# Altium PCB BB.PcbDoc (part 3 of 9) (continued)
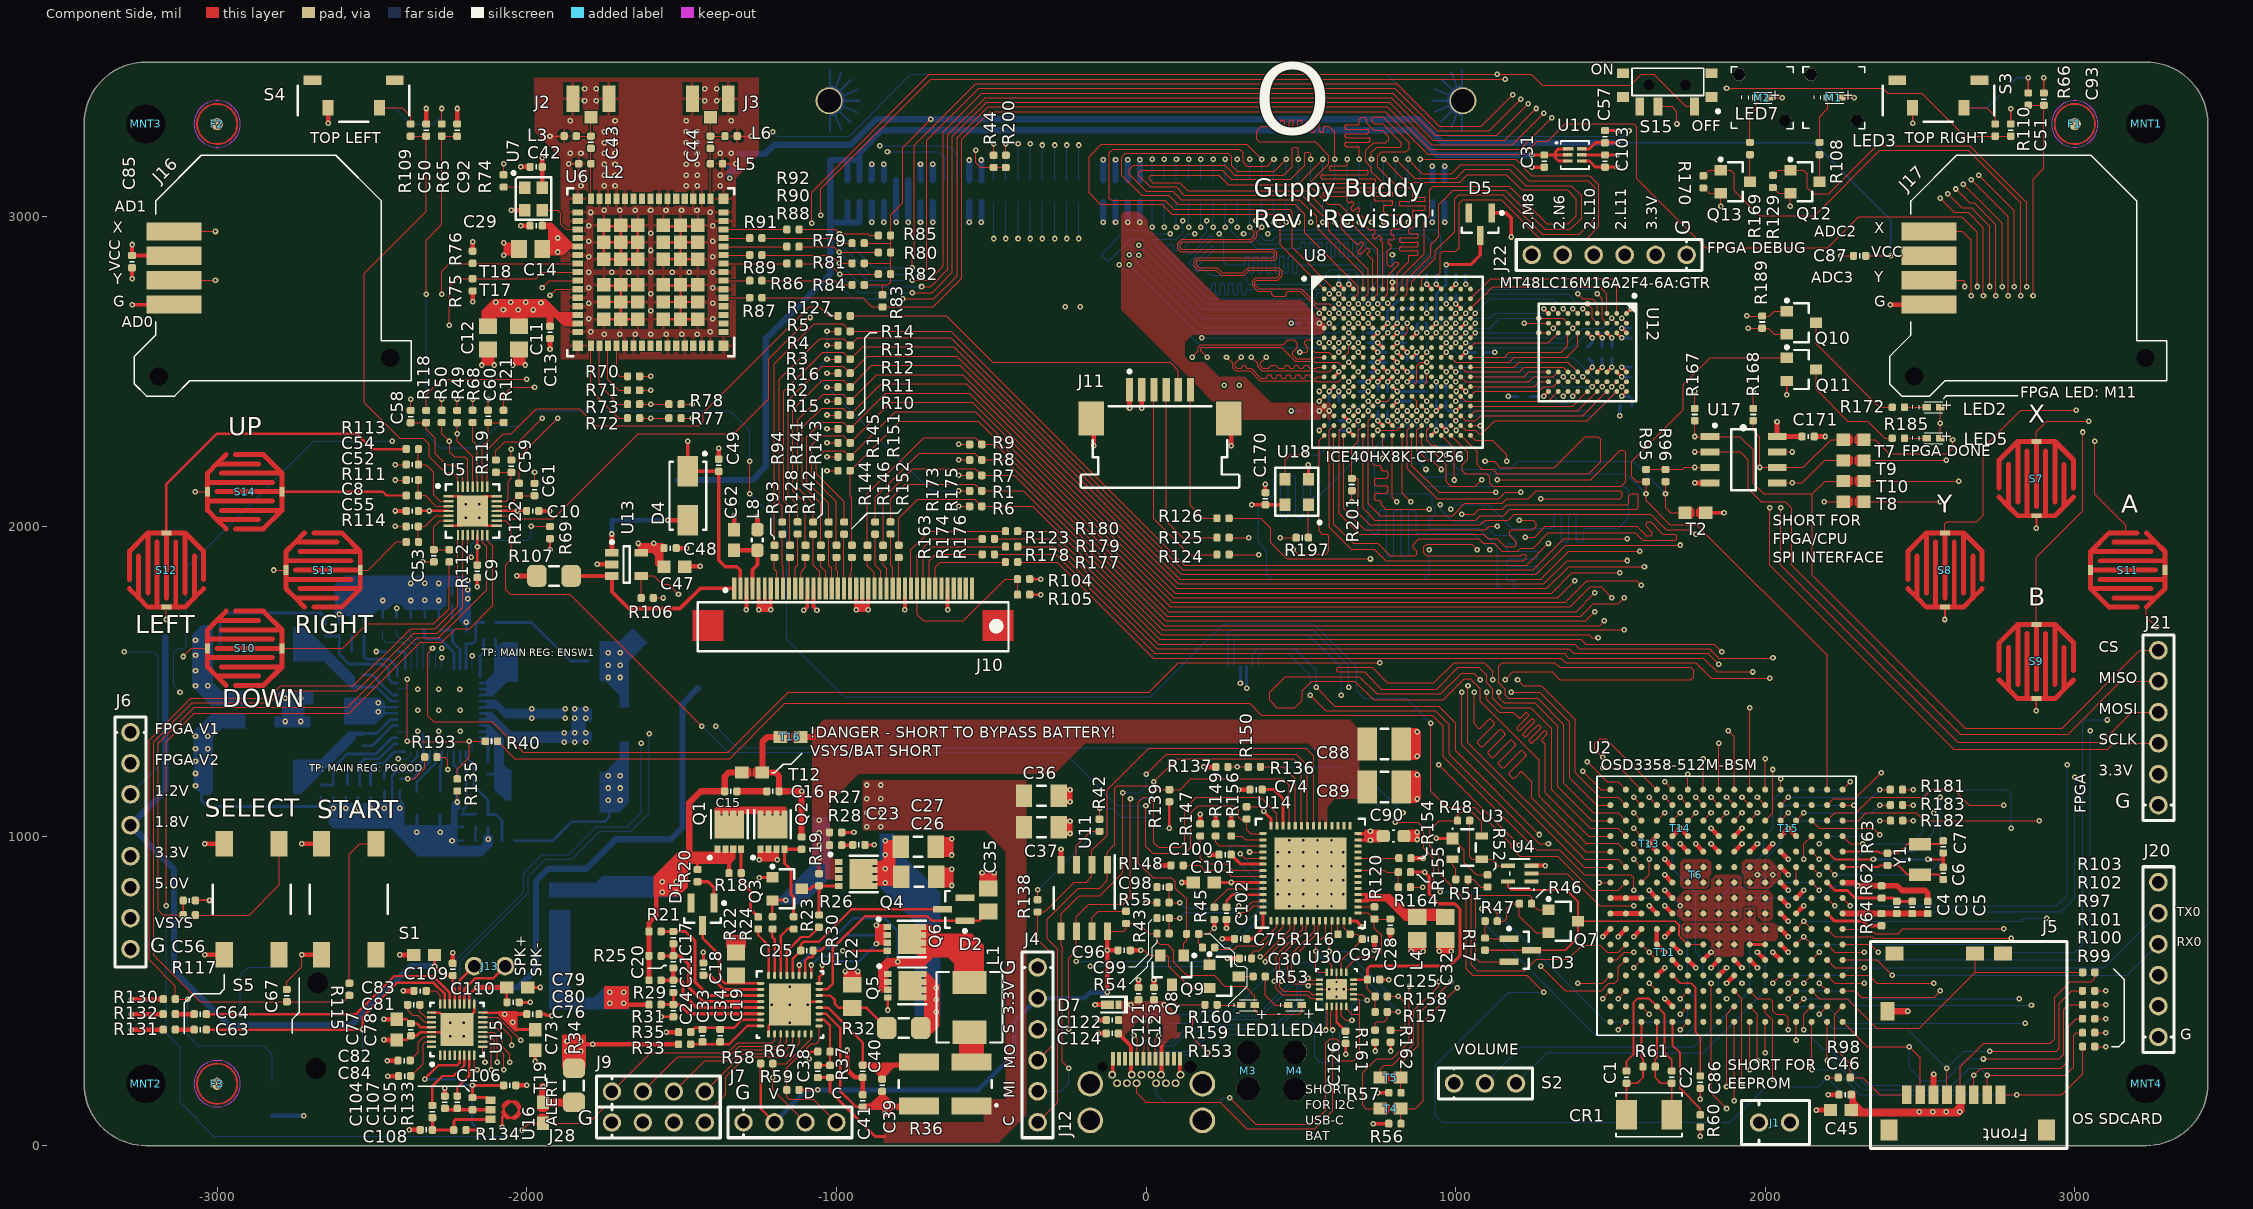
[diagram p0: Component Side view]
## Nets (pads, with @x,y where several pads share a name; then routed paths per layer and width w, separated by ;. In a path a pad name is that pad's centre, name@x,y a point inside that pad or via, vN(x,y) a via of type N, cw(c..) or ccw(c..) an arc to the next point about the centre after c; other vN are vias at no path point)
ACFET: R30.1 U1.29 | length 214.1
  Component Side w8: U1.29@-1159.92,549.98 -1159.92,628.08 -1114,674 -1087.63,674 R30.1@-1056,705.63
ADC0: J16.3 U2.A8 | length 9883.7
  Component Side w4: J16.3@-3139.75,2795.28 v1(-3005.48,2795.28) ; U2.A8@2250,799.82 v1(2275,774.82)
  Inner Layer 1 w4: v1(-3005.48,2795.28) -2230,2795.28 -2229.72,2795 -1339,2795 -1325,2809 -1325,3060 -1150,3235 -945,3235 -735,3445 800.64,3445 960.64,3285 1330,3285 1480,3135 2025,3135 2130,3030 2925,3030 3165,2790 3165,1280 3115,1230 v1(2975,1230)
  Solder Side w4: v1(2275,774.82) 2940.82,774.82 2975,809 v1(2975,1230)
ADC1: J16.1 U2.B8 | length 9976.5
  Component Side w4: J16.1@-3139.75,2952.75 v1(-3005.48,2952.75) ; U2.B8@2200,799.82 v1(2225,774.82)
  Inner Layer 1 w4: v1(-3005.48,2952.75) -2052.75,2952.75 -1950,2850 -1373,2850 -1340,2883 -1340,3065 -1155,3250 -950,3250 -740,3460 806,3460 966,3300 1335,3300 1456,3179 1661,3179 1679.7,3160.3 2029.7,3160.3 2145,3045 2930,3045 3185,2790 3185,1258 3117,1190 v1(3000,1190)
  Solder Side w4: v1(2225,774.82) 2244.82,755 2955,755 3000,800 v1(3000,1190)
ADC2: J17.1 U2.B6 | length 2588
  Component Side w4: U2.B6@2200,899.82 v1(2225,874.82) ; J17.1@2529.55,2952.75 2636.25,2952.75 2665,2924 v1(2665,2745)
  Inner Layer 1 w4: v1(2565,1125) 2565,1430 2665,1530 v1(2665,2745)
  Solder Side w4: v1(2225,874.82) 2521.82,874.82 2565,918 v1(2565,1125)
ADC3: J17.3 U2.C6 | length 2398.7
  Component Side w4: U2.C6@2150,899.82 v1(2175,874.82) ; J17.3@2529.55,2795.28 2639.72,2795.28 2645,2790 v1(2645,2775)
  Inner Layer 1 w4: v1(2545,1074.82) 2545,1430 2645,1530 v1(2645,2775)
  Solder Side w4: v1(2175,874.82) 2225.18,925 2295,925 2321,951 2483,951 2545,1013 v1(2545,1074.82)
ADC5: U2.C8
ADC6: U2.C9
AGND: C3.1 C4.1 C5.1 R64.2 U2.A9 | length 272.6
  Component Side w18: U2.A9@2252.35,749.82 2424.9,749.82 C5.1@2525,749.82
ALERT: T19.1 U1.14 U5.14 | length 4888.4
  Component Side w4: v1(-3165,775) -3165,1305 -3074,1396 -2574,1396 -2344,1626 -2274,1626 -2230,1670 -2185,1670 -2110,1745 -2110,1936 -2127.76,1953.76 U5.14@-2127.76,1972.24 ; v1(-2015,50) -1992.2,72.8 T19.1@-1947.4,72.8 -1799.57,72.8 -1747.4,124.96 -1397.4,124.96 -1356.89,165.47 -1356.89,222.11 -1292,287 -1163,287 -1120.55,329.45 U1.14@-1120.55,361
  Solder Side w4: v1(-3165,775) -3165,363 -3120,318 -3120,140 -3011,31 -2737,31 -2034,31 v1(-2015,50)
AUDIO_POWER_DOWN_N: U2.C13 U15.8 | length 4936.8
  Component Side w4: U15.8@-2169.88,292.25 -2169.88,254.88 v1(-2160,245) ; v1(2125,524.82) U2.C13@2150,549.82
  Inner Layer 1 w4: v1(-2160,245) -2160,185 -2099.96,124.96 -300.04,124.96 -285,140 -285,180 -205,260 -205,289.96 -205,360 -185,380 525,380 550,355 719.65,355 1160,355 1320,195 1850,195 2075,420 2120.18,420 2150,449.82 2150,499.82 v1(2125,524.82)
AUX_C_N: C99.1 R54.1 U14.55 | length 378.3
  Component Side w4: R54.1@75,685.2 C99.1@75,735 v1(109.37,735) ; v1(300,745) 308.94,753.94 326.85,753.94 348.09,775.18 359.06,775.18 362.91,771.34 U14.55@377.72,771.34
  Solder Side w4: v1(109.37,735) 128.47,754.1 290.9,754.1 v1(300,745)
AUX_C_P: C98.1 R55.2 U14.54 | length 378.2
  Component Side w4: C98.1@75,835 R55.2@75,785.2 v1(109.37,785.2) ; v1(300,774.87) 308.94,765.94 321.88,765.94 343.12,787.18 359.06,787.18 362.91,791.02 U14.54@377.72,791.02
  Solder Side w4: v1(109.37,785.2) 128.47,766.1 291.23,766.1 v1(300,774.87)
AUX_N: C99.2
AUX_P: C98.2
B1_CLK0: J18.29 U8.F7 | length 1677.9
  Component Side w4: U8.F7@764.57,2609.25 v1(780.31,2625)
  Inner Layer 2 w4: v1(-413.39,3235.5) -160,2982.11 -160,2919.65 v1(-85.83,2845.47)
  Solder Side w4: J18.29@-413.39,3118.5 v1(-413.39,3235.5) ; v1(-85.83,2845.47) 181.89,2577.76 182.13,2578 628.21,2578 628.46,2577.76 760.63,2577.76 764.57,2581.69 764.57,2609.25 v1(780.31,2625)
B1_CLK1: J18.31 U8.C8 | length 1713.1
  Component Side w4: v1(780.31,2720.55) U8.C8@796.06,2704.8
  Inner Layer 2 w4: v1(-374.02,3235.5) -334.52,3275 522,3275 590,3207 590,2910.87 v1(780.31,2720.55)
  Solder Side w4: J18.31@-374.02,3118.5 v1(-374.02,3235.5)
B1_DAT0: J18.33 U8.E5 | length 1684
  Component Side w4: v1(685.83,2656.5) U8.E5@701.57,2640.75
  Inner Layer 2 w4: v1@-334.52,3235.63 -334.52,3212.52 -316,3194 -313.45,3191.45 ccw(c-307.51,3197.39) -301.58,3191.45 -292.58,3200.45 cw(c-286.64,3194.51) -280.7,3200.45 -275.61,3195.36 cw(c-281.55,3189.42) -275.61,3183.48 -290.54,3168.54 -304.4,3154.69 ccw(c-298.46,3148.75) -304.4,3142.81 -299.3,3137.72 ccw(c-293.36,3143.66) -287.42,3137.72 -273.57,3151.57 -258.64,3166.51 cw(c-252.7,3160.57) -246.76,3166.51 -241.67,3161.41 cw(c-247.61,3155.47) -241.67,3149.53 -256.6,3134.6 -270.45,3120.75 ccw(c-264.51,3114.81) -270.45,3108.87 -265.36,3103.78 ccw(c-259.42,3109.72) -253.48,3103.78 -245.57,3111.69 cw(c-239.63,3105.75) -233.69,3111.69 -204,3082 -117.45,2995.45 -117.45,2908.59 v1(-54.33,2845.47)
  Solder Side w4: J18.33@-334.65,3118.5 v1@-334.65,3235.5 ; v1(-54.33,2845.47) 166.14,2625 621.36,2625 637.11,2640.75 670.08,2640.75 v1(685.83,2656.5)
  other v1: -335,3232
B1_DAT1: J18.35 U8.D4 | length 1680.4
  Component Side w4: v1(654.33,2687.99) U8.D4@670.08,2672.24
  Inner Layer 2 w4: v1(-295,3232) -209.5,3146.5 -206.95,3143.95 ccw(c-201.01,3149.89) -195.08,3143.95 -185.74,3153.29 cw(c-179.8,3147.35) -173.86,3153.29 -168.77,3148.2 cw(c-174.71,3142.26) -168.77,3136.32 -184.04,3121.04 -199.32,3105.77 ccw(c-193.38,3099.83) -199.32,3093.89 -194.23,3088.8 ccw(c-188.29,3094.74) -182.35,3088.8 -167.07,3104.07 -151.8,3119.35 cw(c-145.86,3113.41) -139.92,3119.35 -134.83,3114.26 cw(c-140.77,3108.32) -134.83,3102.38 -150.1,3087.1 -165.38,3071.83 ccw(c-159.44,3065.89) -165.38,3059.95 -160.29,3054.86 ccw(c-154.35,3060.8) -148.41,3054.86 -133.13,3070.13 -117.86,3085.41 cw(c-111.92,3079.47) -105.98,3085.41 -100.89,3080.31 cw(c-106.83,3074.38) -100.89,3068.44 -110.22,3059.1 ccw(c-104.28,3053.16) -110.22,3047.22 -102.5,3039.5 -102.5,3033.5 -90.88,3021.88 -84.88,3021.88 -79,3016 -79,2901.64 v1(-54.33,2876.97)
  Solder Side w4: J18.35@-295.28,3118.5 v1@-295.28,3235.5 ; v1(-54.33,2876.97) 181.44,2641.2 ; 181.02,2641.2 181.44,2641.2 ; v1(654.33,2687.99) 607.54,2641.2 181.44,2641.2
B1_DAT2: J18.37 U8.D3 | length 1681.1
  Component Side w4: v1(622.83,2687.99) U8.D3@638.58,2672.24
  Inner Layer 2 w4: v1(-256,3232) -234,3210 -201,3210 -197.4,3210 ccw(c-197.4,3218.4) -189,3218.4 -189,3232.6 cw(c-180.6,3232.6) -180.6,3241 -173.4,3241 cw(c-173.4,3232.6) -165,3232.6 -165,3210 ccw(c-158,3210) -158,3203 -148,3203 ccw(c-148,3210) -141,3210 -141,3232.6 cw(c-132.6,3232.6) -132.6,3241 -125.4,3241 cw(c-125.4,3232.6) -117,3232.6 -117,3218.4 ccw(c-108.6,3218.4) -108.6,3210 -103,3210 -91,3210 -79,3198 -79,3175 -79,3169.4 cw(c-87.4,3169.4) -87.4,3161 -136.6,3161 ccw(c-136.6,3152.6) -145,3152.6 -145,3145.4 ccw(c-136.6,3145.4) -136.6,3137 -87.4,3137 cw(c-87.4,3128.6) -79,3128.6 -79,3125 -79,3116 -39,3076 -39,3043.4 cw(c-47.4,3043.4) -47.4,3035 -52.01,3035 ccw(c-52.01,3026.6) -60.41,3026.6 -60.41,3019.4 ccw(c-52.01,3019.4) -52.01,3011 -47.4,3011 cw(c-47.4,3002.6) -39,3002.6 -39,2999 -39,2956 -55,2940 -55,2908.72 v1(-22.83,2876.56)
  Solder Side w4: J18.37@-255.91,3118.5 v1@-255.91,3235.5 ; v1(-22.83,2876.56) 181.02,2672.7 607.54,2672.7 v1(622.83,2687.99)
B1_DAT3: J18.39 U8.D5 | length 1680.5
  Component Side w4: v1(685.83,2687.99) U8.D5@701.57,2672.24
  Inner Layer 2 w4: v1(-217,3232) -190,3259 -65,3259 -40,3234 -40,3131 -30,3121 -14,3121 -11,3124 -5,3124 -1,3120 -1,3098 cw(c-9.4,3098) -9.4,3089.6 -19.6,3089.6 ccw(c-19.6,3081.2) -28,3081.2 -28,3074 ccw(c-19.6,3074) -19.6,3065.6 -1,3065.6 37.58,3065.6 cw(c37.58,3057.2) 45.98,3057.2 45.98,3050 cw(c37.58,3050) 37.58,3041.6 -1,3041.6 -19.6,3041.6 ccw(c-19.6,3033.2) -28,3033.2 -28,3026 ccw(c-19.6,3026) -19.6,3017.6 -9.4,3017.6 cw(c-9.4,3009.2) -1,3009.2 -1,3005.6 -1,3000 -1,2988 -1,2930.3 v1(-22.83,2908.46)
  Solder Side w4: J18.39@-216.54,3118.5 v1@-216.54,3235.5 ; v1(-22.83,2908.46) 181.89,2703.74 670.08,2703.74 v1(685.83,2687.99)
B1_DAT4: J18.49 U8.C3 | length 1677.9
  Component Side w4: v1(622.83,2719.49) U8.C3@638.58,2703.74
  Inner Layer 2 w4: v1(19.68,3185.5) 0.18,3166 -13,3166 -19.69,3159.31 -19.69,3146.69 -13,3140 1.92,3140 15.92,3126 15.92,3093.76 24.68,3085 57,3085 66,3076 66,3039 53,3026 27,3026 21,3020 21,2995 39,2977 39,2954 28,2943 28,2936.79 33.79,2931 50,2931 64.16,2945.16 v1(78.74,2945.16)
  Solder Side w4: J18.49@19.68,3118.5 v1(19.68,3185.5) ; v1(78.74,2945.16) 6.84,2945.16 -4,2956 -67,2956 -140,2883 -140,2873 -127,2860 -117,2860 -47,2930 -16,2930 194.51,2719.49 v1(622.83,2719.49)
B1_DAT5: J18.51 U8.B3 | length 1677.9
  Component Side w4: v1(622.83,2750.98) U8.B3@638.58,2735.24
  Inner Layer 2 w4: v1(59.05,3185.5) 59.05,3170.49 65,3164.54 65,3140 75,3130 75,3120 70,3115 54,3115 50,3119 50,3159 43.77,3165.23 26.23,3165.23 20,3159 20,3145.79 23.75,3142.04 31.96,3142.04 35,3139 35,3110 44,3101 73,3101 78.74,3095.27 78.74,3088.27 83,3084 117,3084 121,3080 121,3074 116,3069 87,3069 83,3065 83,3059 88,3054 115.1,3054 120,3049.1 120,3044 115,3039 87,3039 83,3035 83,3028 87,3024 116.1,3024 120,3020.1 120,3009 116,3005 90,3005 85.75,3000.75 85.75,2996.75 83,2994 77.74,2994 74,2997.73 74,3007 69,3012 51,3012 45,3006 45,2997.98 52.98,2990 61,2990 76,2975 84,2975 96.2,2987.2 v1(118.1,2987.2)
  Solder Side w4: J18.51@59.05,3118.5 v1(59.05,3185.5) ; v1(118.1,2987.2) 118.1,2948.1 97,2927 31,2927 26,2922 26,2914 204.76,2735.24 546.21,2735.24 551,2740.02 551,2751 554.69,2754.69 567.31,2754.69 570.86,2751.14 570.86,2740.14 575.76,2735.24 607.09,2735.24 v1(622.83,2750.98)
B1_DAT6: J18.53 U8.C4 | length 1677.7
  Component Side w4: v1(654.33,2719.49) U8.C4@670.08,2703.74
  Inner Layer 2 w4: v1(98.42,3185.5) 98.42,3107.58 108,3098 137.59,3098 157.48,3078.11 157.48,3073 157.48,3063.9 cw(c152.58,3063.9) 152.58,3059 142.38,3059 ccw(c142.38,3054.1) 137.48,3054.1 137.48,3049.9 ccw(c142.38,3049.9) 142.38,3045 157.48,3045 172.58,3045 cw(c172.58,3040.1) 177.48,3040.1 177.48,3035.9 cw(c172.58,3035.9) 172.58,3031 157.48,3031 142.38,3031 ccw(c142.38,3026.1) 137.48,3026.1 137.48,3021.9 ccw(c142.38,3021.9) 142.38,3017 157.48,3017 172.58,3017 cw(c172.58,3012.1) 177.48,3012.1 177.48,3007.9 cw(c172.58,3007.9) 172.58,3003 157.48,3003 142.38,3003 ccw(c142.38,2998.1) 137.48,2998.1 137.48,2993.9 ccw(c142.38,2993.9) 142.38,2989 152.58,2989 cw(c152.58,2984.1) 157.48,2984.1 157.48,2982 v1(157.48,2945.16)
  Solder Side w4: J18.53@98.42,3118.5 v1(98.42,3185.5) ; v1(157.48,2945.16) 136.16,2945.16 105,2914 105,2895 100,2890 95,2890 90,2895 90,2903.31 81.63,2911.69 68.69,2911.69 65,2908 65,2899 197.27,2766.73 205,2766.73 207.1,2766.73 ccw(c207.1,2771.63) 212,2771.63 212,2779.91 cw(c216.9,2779.91) 216.9,2784.81 221.1,2784.81 cw(c221.1,2779.91) 226,2779.91 226,2766.73 226,2753.55 ccw(c230.9,2753.55) 230.9,2748.65 235.1,2748.65 ccw(c235.1,2753.55) 240,2753.55 240,2766.73 240,2779.91 cw(c244.9,2779.91) 244.9,2784.81 249.1,2784.81 cw(c249.1,2779.91) 254,2779.91 254,2766.73 254,2753.55 ccw(c258.9,2753.55) 258.9,2748.65 263.1,2748.65 ccw(c263.1,2753.55) 268,2753.55 268,2766.73 268,2779.91 cw(c272.9,2779.91) 272.9,2784.81 277.1,2784.81 cw(c277.1,2779.91) 282,2779.91 282,2766.73 282,2753.55 ccw(c286.9,2753.55) 286.9,2748.65 291.1,2748.65 ccw(c291.1,2753.55) 296,2753.55 296,2766.73 296,2779.92 cw(c300.9,2779.92) 300.9,2784.82 305.1,2784.82 cw(c305.1,2779.92) 310,2779.92 310,2766.73 310,2753.55 ccw(c314.9,2753.55) 314.9,2748.65 319.1,2748.65 ccw(c319.1,2753.55) 324,2753.55 324,2761.83 cw(c328.9,2761.83) 328.9,2766.73 346,2766.73 635.41,2766.73 641,2761.14 641,2744 645,2740 651.56,2740 661.56,2750 670,2750 675,2745 675,2735 670,2730 664.84,2730 v1(654.33,2719.49)
B1_DAT7: J18.55 U8.C5 | length 1677.5
  Component Side w4: v1(685.83,2719.49) U8.C5@701.57,2703.74
  Inner Layer 2 w4: v1(137.79,3185.5) 137.79,3173 137.79,3170.9 ccw(c142.69,3170.9) 142.69,3166 152.89,3166 cw(c152.89,3161.1) 157.79,3161.1 157.79,3156.9 cw(c152.89,3156.9) 152.89,3152 137.79,3152 122.69,3152 ccw(c122.69,3147.1) 117.79,3147.1 117.79,3142.9 ccw(c122.69,3142.9) 122.69,3138 132.89,3138 cw(c132.89,3133.1) 137.79,3133.1 137.79,3124 137.79,3122.21 145,3115 165,3115 172.58,3107.43 172.58,3073 196.84,3048.73 v1(196.84,2987.2)
  Solder Side w4: J18.55@137.79,3118.5 v1(137.79,3185.5) ; v1(196.84,2987.2) 196.85,2949.85 168,2921 141,2921 128,2908 128,2891.39 138.2,2881.2 139.18,2880.21 ccw(c143.14,2884.16) 147.1,2880.21 204.72,2937.82 cw(c208.68,2933.87) 212.64,2937.82 214.62,2935.85 cw(c210.66,2931.89) 214.62,2927.93 153.04,2866.35 141.17,2854.47 ccw(c145.13,2850.51) 141.17,2846.55 143.15,2844.57 ccw(c147.11,2848.53) 151.07,2844.57 162.94,2856.45 210.47,2903.98 cw(c214.43,2900.02) 218.39,2903.98 220.37,2902 cw(c216.41,2898.04) 220.37,2894.08 172.84,2846.55 160.97,2834.67 ccw(c164.93,2830.71) 160.97,2826.75 162.95,2824.77 ccw(c166.91,2828.73) 170.87,2824.77 178.78,2832.69 cw(c182.74,2828.73) 186.7,2832.69 194.29,2825.1 207.38,2812.01 318.99,2812.01 325.31,2805.69 325.31,2789.5 332.82,2782 574.68,2782 582.68,2790 582.68,2817.68 594.72,2829.72 670.08,2829.72 686,2813.8 v1@686,2719.49
B1_DAT8: J18.57 U8.D6 | length 1677.7
  Component Side w4: v1(717.32,2687.99) U8.D6@733.07,2672.24
  Inner Layer 2 w4: v1(177.16,3185.5) 236.22,3126.44 v1(236.22,2945.16)
  Solder Side w4: J18.57@177.16,3118.5 v1(177.16,3185.5) ; v1(236.22,2945.16) 251,2930.37 251,2855.1 260.63,2845.47 313,2845.47 315.8,2845.47 ccw(c315.8,2849.67) 320,2849.67 320,2868.98 cw(c324.2,2868.98) 324.2,2873.18 329.8,2873.18 cw(c329.8,2868.98) 334,2868.98 334,2845.47 334,2821.97 ccw(c338.2,2821.97) 338.2,2817.77 343.8,2817.77 ccw(c343.8,2821.97) 348,2821.97 348,2845.47 348,2868.98 cw(c352.2,2868.98) 352.2,2873.18 357.8,2873.18 cw(c357.8,2868.98) 362,2868.98 362,2845.47 362,2821.97 ccw(c366.2,2821.97) 366.2,2817.77 371.8,2817.77 ccw(c371.8,2821.97) 376,2821.97 376,2845.47 376,2868.98 cw(c380.2,2868.98) 380.2,2873.18 385.8,2873.18 cw(c385.8,2868.98) 390,2868.98 390,2845.47 390,2821.97 ccw(c394.2,2821.97) 394.2,2817.77 399.8,2817.77 ccw(c399.8,2821.97) 404,2821.97 404,2845.47 404,2868.98 cw(c408.2,2868.98) 408.2,2873.18 413.8,2873.18 cw(c413.8,2868.98) 418,2868.98 418,2845.47 418,2821.97 ccw(c422.2,2821.97) 422.2,2817.77 427.8,2817.77 ccw(c427.8,2821.97) 432,2821.97 432,2845.47 432,2868.98 cw(c436.2,2868.98) 436.2,2873.18 441.8,2873.18 cw(c441.8,2868.98) 446,2868.98 446,2845.47 446,2821.97 ccw(c450.2,2821.97) 450.2,2817.77 455.8,2817.77 ccw(c455.8,2821.97) 460,2821.97 460,2845.47 460,2868.98 cw(c464.2,2868.98) 464.2,2873.18 469.8,2873.18 cw(c469.8,2868.98) 474,2868.98 474,2845.47 474,2821.97 ccw(c478.2,2821.97) 478.2,2817.77 483.8,2817.77 ccw(c483.8,2821.97) 488,2821.97 488,2841.27 cw(c492.2,2841.27) 492.2,2845.47 524,2845.47 685.83,2845.47 701.57,2829.72 701.57,2703.74 v1(717.32,2687.99)
B1_DAT9: J18.59 U8.C6 | length 1677.6
  Component Side w4: v1(717.32,2719.49) U8.C6@733.07,2703.74
  Inner Layer 2 w4: v1(216.53,3185.5) 275.58,3126.44 v1(275.58,2987.2)
  Solder Side w4: J18.59@216.53,3118.5 v1(216.53,3185.5) ; v1@275.55,2987.2 275.55,2953.45 302,2927 329,2927 358,2898 413,2898 495.8,2898 ccw(c495.8,2902.2) 500,2902.2 500,2914.57 cw(c504.2,2914.57) 504.2,2918.77 509.8,2918.77 cw(c509.8,2914.57) 514,2914.57 514,2898 514,2875.43 ccw(c518.2,2875.43) 518.2,2871.23 523.8,2871.23 ccw(c523.8,2875.43) 528,2875.43 528,2898 528,2914.57 cw(c532.2,2914.57) 532.2,2918.77 537.8,2918.77 cw(c537.8,2914.57) 542,2914.57 542,2898 542,2875.43 ccw(c546.2,2875.43) 546.2,2871.23 551.8,2871.23 ccw(c551.8,2875.43) 556,2875.43 556,2898 556,2914.57 cw(c560.2,2914.57) 560.2,2918.77 565.8,2918.77 cw(c565.8,2914.57) 570,2914.57 570,2898 570,2875.43 ccw(c574.2,2875.43) 574.2,2871.23 579.8,2871.23 ccw(c579.8,2875.43) 584,2875.43 584,2898 584,2914.57 cw(c588.2,2914.57) 588.2,2918.77 593.8,2918.77 cw(c593.8,2914.57) 598,2914.57 598,2898 598,2875.43 ccw(c602.2,2875.43) 602.2,2871.23 607.8,2871.23 ccw(c607.8,2875.43) 612,2875.43 612,2898 612,2914.57 cw(c616.2,2914.57) 616.2,2918.77 621.8,2918.77 cw(c621.8,2914.57) 626,2914.57 626,2898 626,2875.43 ccw(c630.2,2875.43) 630.2,2871.23 635.8,2871.23 ccw(c635.8,2875.43) 640,2875.43 640,2898 640,2914.57 cw(c644.2,2914.57) 644.2,2918.77 649.8,2918.77 cw(c649.8,2914.57) 654,2914.57 654,2898 654,2875.43 ccw(c658.2,2875.43) 658.2,2871.23 663.8,2871.23 ccw(c663.8,2875.43) 668,2875.43 668,2898 668,2914.57 cw(c672.2,2914.57) 672.2,2918.77 677.8,2918.77 cw(c677.8,2914.57) 682,2914.57 682,2898 682,2875.43 ccw(c686.2,2875.43) 686.2,2871.23 691.8,2871.23 ccw(c691.8,2875.43) 696,2875.43 696,2898 696,2914.57 cw(c700.2,2914.57) 700.2,2918.77 705.8,2918.77 cw(c705.8,2914.57) 710,2914.57 710,2902.2 ccw(c714.2,2902.2) 714.2,2898 724,2898 731,2898 755,2874 755,2800 717.32,2762.32 v1(717.32,2719.49)
B1_DAT10: J18.61 U8.E6 | length 1678.5
  Component Side w4: v1(717.32,2656.5) U8.E6@733.07,2640.75
  Inner Layer 2 w4: v1(255.9,3185.5) 290.4,3151 372,3151 395,3174 395,3206 403,3214 461,3214 473,3202 473,3154 478,3149 502.62,3149 516,3135.62 516,3081 480,3045 379.64,3045 370,3035.36 370,3021 359,3010 344.64,3010 314.95,2980.31 v1(314.95,2945.16)
  Solder Side w4: J18.61@255.9,3118.5 v1(255.9,3185.5) ; v1(314.95,2945.16) 336.84,2945.16 370.67,2911.33 422.33,2911.33 441,2930 819,2930 829,2920 829,2909 819,2899 787,2899 770,2882 770,2791 733.07,2754.07 733.07,2672.24 v1(717.32,2656.5)
B1_DAT11: J18.63 U8.C7 | length 1678.2
  Component Side w4: v1(748.82,2719.49) U8.C7@764.57,2703.74
  Inner Layer 2 w4: v1(295.27,3185.5) 308.5,3185.5 313,3181 313,3171 317,3167 347,3167 355,3175 355,3220 365,3230 495,3230 512,3213 512,3163 518.46,3156.54 527,3156.54 532,3151.54 532,3067.15 491.85,3027 398,3027 379.15,3008.15 379.15,2992.15 374.2,2987.2 v1(354.33,2987.2)
  Solder Side w4: J18.63@295.27,3118.5 v1(295.27,3185.5) ; v1(354.33,2987.2) 354.33,2952.68 382,2925 410,2925 429,2944 899,2944 921,2922 921,2887 800,2766 772,2766 748.82,2742.82 v1(748.82,2719.49)
B1_DAT12: J18.65 U8.D7 | length 1678
  Component Side w4: v1(748.82,2687.99) U8.D7@764.57,2672.24
  Inner Layer 2 w4: v1(334.64,3185.5) 334.64,3225.64 357,3248 512,3248 552,3208 552,3056 503,3007 408,3007 393.69,2992.69 v1(393.69,2945.16)
  Solder Side w4: J18.65@334.64,3118.5 v1(334.64,3185.5) ; v1(393.69,2945.16) 406.54,2958 935,2958 952,2941 952,2895.88 797.12,2741 774,2741 764.57,2731.57 764.57,2703.74 v1(748.82,2687.99)
B1_DAT13: J18.67 U8.A1 | length 1714
  Component Side w4: v1(374.01,3185.5) 325.51,3234 -144,3234 -184,3194 -184,3078 -147,3041 51,3041 83.64,3008.36 415.64,3008.36 433.07,2990.94 433.07,2909.26 U8.A1@575.59,2766.73
  Solder Side w4: J18.67@374.01,3118.5 v1(374.01,3185.5)
B1_DAT14: J18.69 U8.A2 | length 1714.1
  Component Side w4: v1(413.38,3185.5) 390.88,3163 327,3163 314,3176 314,3207 302,3219 -106,3219 -118,3207 -118,3060.64 -111.36,3054 61,3054 91,3024 464,3024 472.43,3015.56 472.43,2901.38 U8.A2@607.09,2766.73
  Solder Side w4: J18.69@413.38,3118.5 v1(413.38,3185.5)
B1_DAT15: J18.71 U8.B4 | length 1714
  Component Side w4: v1(452.75,3185.5) 414.25,3147 295,3147 277,3165 277,3194 266,3205 -66.8,3205 -79,3192.8 -79,3135 -13,3069 73,3069 102,3040 481,3040 512.6,3008.4 512.6,2948.19 685.83,2774.96 685.83,2750.98 U8.B4@670.08,2735.24
  Solder Side w4: J18.71@452.75,3118.5 v1(452.75,3185.5)
B1_DAT16: J18.73 U8.A5 | length 1713.9
  Component Side w4: v1(492.12,3185.5) 492.12,3220.88 488,3225 477,3225 473,3221 473,3162 445,3134 286,3134 254,3166 -41,3166 -54,3153 -54,3138 1,3083 87,3083 114,3056 495,3056 551.17,2999.82 551.17,2964.38 701.57,2813.98 U8.A5@701.57,2766.73
  Solder Side w4: J18.73@492.12,3118.5 v1(492.12,3185.5)
B1_DAT17: J18.75 U8.B5 | length 1713
  Component Side w4: v1(531.49,3185.5) 531.49,3202.51 526,3208 515,3208 512,3205 512,3166.01 466.99,3121 275,3121 246,3150 -15,3150 -22.83,3142.17 -22.83,3132.83 13,3097 97,3097 124,3070 505,3070 571,3004 581,3004 590.55,2994.45 590.55,2955.71 717.32,2828.93 717.32,2750.98 U8.B5@701.57,2735.24
  Solder Side w4: J18.75@531.49,3118.5 v1(531.49,3185.5)
B1_DAT18: J18.77 U8.A6 | length 1713.3
  Component Side w4: v1(570.86,3185.5) 489.36,3104 265.51,3104 234.51,3135 15.85,3135 10,3129.15 10,3122.6 22.6,3110 109.1,3110 134.1,3085 515.42,3085 580.42,3020 612.21,3020 629.92,3002.29 629.92,2963.09 650,2943 680.98,2912.02 ccw(c683.95,2914.99) 686.92,2912.02 692.33,2917.43 cw(c695.3,2914.46) 698.27,2917.43 702.23,2913.47 cw(c699.26,2910.5) 702.23,2907.53 693.85,2899.15 685.47,2890.77 ccw(c688.44,2887.8) 685.47,2884.83 689.43,2880.87 ccw(c692.4,2883.84) 695.37,2880.87 703.75,2889.25 712.13,2897.63 cw(c715.1,2894.66) 718.07,2897.63 722.03,2893.67 cw(c719.06,2890.7) 722.03,2887.73 716.62,2882.32 ccw(c719.59,2879.35) 716.62,2876.38 723.55,2869.45 728.5,2864.5 733.07,2859.93 U8.A6@733.07,2766.73
  Solder Side w4: J18.77@570.86,3118.5 v1(570.86,3185.5)
B1_DAT19: J18.79 U8.B6 | length 1713.8
  Component Side w4: v1@610.23,3185 v1(610.23,3185.5) 610.23,3273.77 591,3293 581,3293 578.9,3293 ccw(c578.9,3288.1) 574,3288.1 574,3278.71 cw(c569.1,3278.71) 569.1,3273.81 564.9,3273.81 cw(c564.9,3278.71) 560,3278.71 560,3293 560,3307.29 ccw(c555.1,3307.29) 555.1,3312.19 550.9,3312.19 ccw(c550.9,3307.29) 546,3307.29 546,3293 546,3278.71 cw(c541.1,3278.71) 541.1,3273.81 536.9,3273.81 cw(c536.9,3278.71) 532,3278.71 532,3293 532,3307.29 ccw(c527.1,3307.29) 527.1,3312.19 522.9,3312.19 ccw(c522.9,3307.29) 518,3307.29 518,3293 518,3278.71 cw(c513.1,3278.71) 513.1,3273.81 508.9,3273.81 cw(c508.9,3278.71) 504,3278.71 504,3293 504,3307.29 ccw(c499.1,3307.29) 499.1,3312.19 494.9,3312.19 ccw(c494.9,3307.29) 490,3307.29 490,3293 490,3278.71 cw(c485.1,3278.71) 485.1,3273.81 480.9,3273.81 cw(c480.9,3278.71) 476,3278.71 476,3293 476,3307.29 ccw(c471.1,3307.29) 471.1,3312.19 466.9,3312.19 ccw(c466.9,3307.29) 462,3307.29 462,3293 462,3278.71 cw(c457.1,3278.71) 457.1,3273.81 452.9,3273.81 cw(c452.9,3278.71) 448,3278.71 448,3293 448,3307.29 ccw(c443.1,3307.29) 443.1,3312.19 438.9,3312.19 ccw(c438.9,3307.29) 434,3307.29 434,3293 434,3278.71 cw(c429.1,3278.71) 429.1,3273.81 424.9,3273.81 cw(c424.9,3278.71) 420,3278.71 420,3293 420,3307.29 ccw(c415.1,3307.29) 415.1,3312.19 410.9,3312.19 ccw(c410.9,3307.29) 406,3307.29 406,3297.9 cw(c401.1,3297.9) 401.1,3293 373,3293 357,3277 357,3250 365,3242 546,3242 590,3198 590,3171.91 533,3114.91 533,3096 589,3040 624,3040 669.28,2994.72 669.28,2972.78 748.82,2893.25 748.82,2750.98 U8.B6@733.07,2735.24
  Solder Side w4: J18.79@610.23,3118.5 v1(610.23,3185.5)
B1_DAT20: J18.81 U8.A7 | length 1713.7
  Component Side w4: v1(649.6,3185.5) 649.6,3178.5 649.6,3169.4 cw(c644.7,3169.4) 644.7,3164.5 597.81,3164.5 ccw(c597.81,3159.6) 592.91,3159.6 592.91,3155.4 ccw(c597.81,3155.4) 597.81,3150.5 649.6,3150.5 713.57,3150.5 cw(c713.57,3145.6) 718.47,3145.6 718.47,3141.4 cw(c713.57,3141.4) 713.57,3136.5 649.6,3136.5 569.81,3136.5 ccw(c569.81,3131.6) 564.91,3131.6 564.91,3127.4 ccw(c569.81,3127.4) 569.81,3122.5 649.6,3122.5 736.75,3122.5 cw(c736.75,3117.6) 741.65,3117.6 741.65,3113.4 cw(c736.75,3113.4) 736.75,3108.5 649.6,3108.5 556.38,3108.5 ccw(c556.38,3103.6) 551.48,3103.6 551.48,3099.4 ccw(c556.38,3099.4) 556.38,3094.5 649.6,3094.5 722.93,3094.5 cw(c722.93,3089.6) 727.83,3089.6 727.83,3085.4 cw(c722.93,3085.4) 722.93,3080.5 649.6,3080.5 577.72,3080.5 ccw(c577.72,3075.6) 572.82,3075.6 572.82,3071.4 ccw(c577.72,3071.4) 577.72,3066.5 644.7,3066.5 cw(c644.7,3061.6) 649.6,3061.6 649.6,3058 649.6,3051 649.6,3050.72 652.99,3047.33 ccw(c656.45,3050.79) 659.92,3047.33 660.06,3047.47 cw(c663.52,3044) 666.99,3047.47 669.96,3044.5 cw(c666.49,3041.03) 669.96,3037.57 666.35,3033.96 662.75,3030.36 ccw(c666.21,3026.89) 662.75,3023.43 665.72,3020.46 ccw(c669.18,3023.92) 672.64,3020.46 676.25,3024.06 679.86,3027.67 cw(c683.32,3024.21) 686.79,3027.67 689.76,3024.7 cw(c686.29,3021.24) 689.76,3017.77 686.15,3014.16 682.54,3010.56 ccw(c686.01,3007.09) 682.54,3003.63 685.51,3000.66 ccw(c688.98,3004.12) 692.44,3000.66 692.59,3000.8 cw(c696.05,2997.34) 699.52,3000.8 701,2999.31 708.66,2991.66 708.66,2971.35 721,2959 722.48,2957.52 ccw(c725.95,2960.98) 729.41,2957.52 729.56,2957.66 cw(c733.02,2954.19) 736.49,2957.66 739.46,2954.69 cw(c735.99,2951.22) 739.46,2947.76 735.85,2944.15 732.24,2940.54 ccw(c735.71,2937.08) 732.24,2933.61 735.21,2930.64 ccw(c738.68,2934.11) 742.14,2930.64 745.75,2934.25 749.36,2937.86 cw(c752.82,2934.39) 756.28,2937.86 759.25,2934.89 cw(c755.79,2931.42) 759.25,2927.96 757.5,2926.2 ccw(c759.35,2924.35) 757.5,2922.5 764.57,2915.43 U8.A7@764.57,2766.73
  Solder Side w4: J18.81@649.6,3118.5 v1(649.6,3185.5)
B1_DAT21: J18.83 U8.B7 | length 1713.3
  Component Side w4: v1(688.97,3185.5) 688.97,3220 688.97,3222.1 ccw(c684.07,3222.1) 684.07,3227 647.64,3227 cw(c647.64,3231.9) 642.74,3231.9 642.74,3236.1 cw(c647.64,3236.1) 647.64,3241 688.97,3241 718.89,3241 ccw(c718.89,3245.9) 723.79,3245.9 723.79,3250.1 ccw(c718.89,3250.1) 718.89,3255 688.97,3255 647.64,3255 cw(c647.64,3259.9) 642.74,3259.9 642.74,3264.1 cw(c647.64,3264.1) 647.64,3269 688.97,3269 714.89,3269 ccw(c714.89,3273.9) 719.79,3273.9 719.79,3278.1 ccw(c714.89,3278.1) 714.89,3283 688.97,3283 647.64,3283 cw(c647.64,3287.9) 642.74,3287.9 642.74,3292.1 cw(c647.64,3292.1) 647.64,3297 684.07,3297 ccw(c684.07,3301.9) 688.97,3301.9 688.97,3311 688.97,3314.97 695,3321 705.44,3321 713,3313.44 713,3302 735,3280 763,3280 784,3259 784,3249 775,3240 735,3240 710,3215 710,3177.34 728.34,3159 728.34,3146.13 753.24,3121.23 762.76,3111.71 767.71,3106.76 767.71,3098.99 cw(c762.81,3098.99) 762.81,3094.09 742.61,3094.09 ccw(c742.61,3089.19) 737.71,3089.19 737.71,3084.99 ccw(c742.61,3084.99) 742.61,3080.09 767.71,3080.09 792.81,3080.09 cw(c792.81,3075.19) 797.71,3075.19 797.71,3070.99 cw(c792.81,3070.99) 792.81,3066.09 767.71,3066.09 742.61,3066.09 ccw(c742.61,3061.19) 737.71,3061.19 737.71,3056.99 ccw(c742.61,3056.99) 742.61,3052.09 767.71,3052.09 792.81,3052.09 cw(c792.81,3047.19) 797.71,3047.19 797.71,3042.99 cw(c792.81,3042.99) 792.81,3038.09 772.61,3038.09 ccw(c772.61,3033.19) 767.71,3033.19 767.71,3024.09 767.71,3017.09 777.8,3007 822,3007 828,3001 828,2970 819,2961 797.06,2961 792,2955.94 792,2954 792,2944.9 ccw(c796.9,2944.9) 796.9,2940 797.1,2940 cw(c797.1,2935.1) 802,2935.1 802,2930.9 cw(c797.1,2930.9) 797.1,2926 792,2926 786.9,2926 ccw(c786.9,2921.1) 782,2921.1 782,2916.9 ccw(c786.9,2916.9) 786.9,2912 787.1,2912 cw(c787.1,2907.1) 792,2907.1 792,2905 792,2900.44 780,2888.44 780,2846 786,2840 792,2840 805,2853 814,2853 817,2850 817,2846.34 780.31,2809.65 780.31,2750.98 U8.B7@764.57,2735.24
  Solder Side w4: J18.83@688.97,3118.5 v1(688.97,3185.5)